# KiCad board Scan_Head_Set-Relay_board_03.01.2023.kicad_pcb (continued)
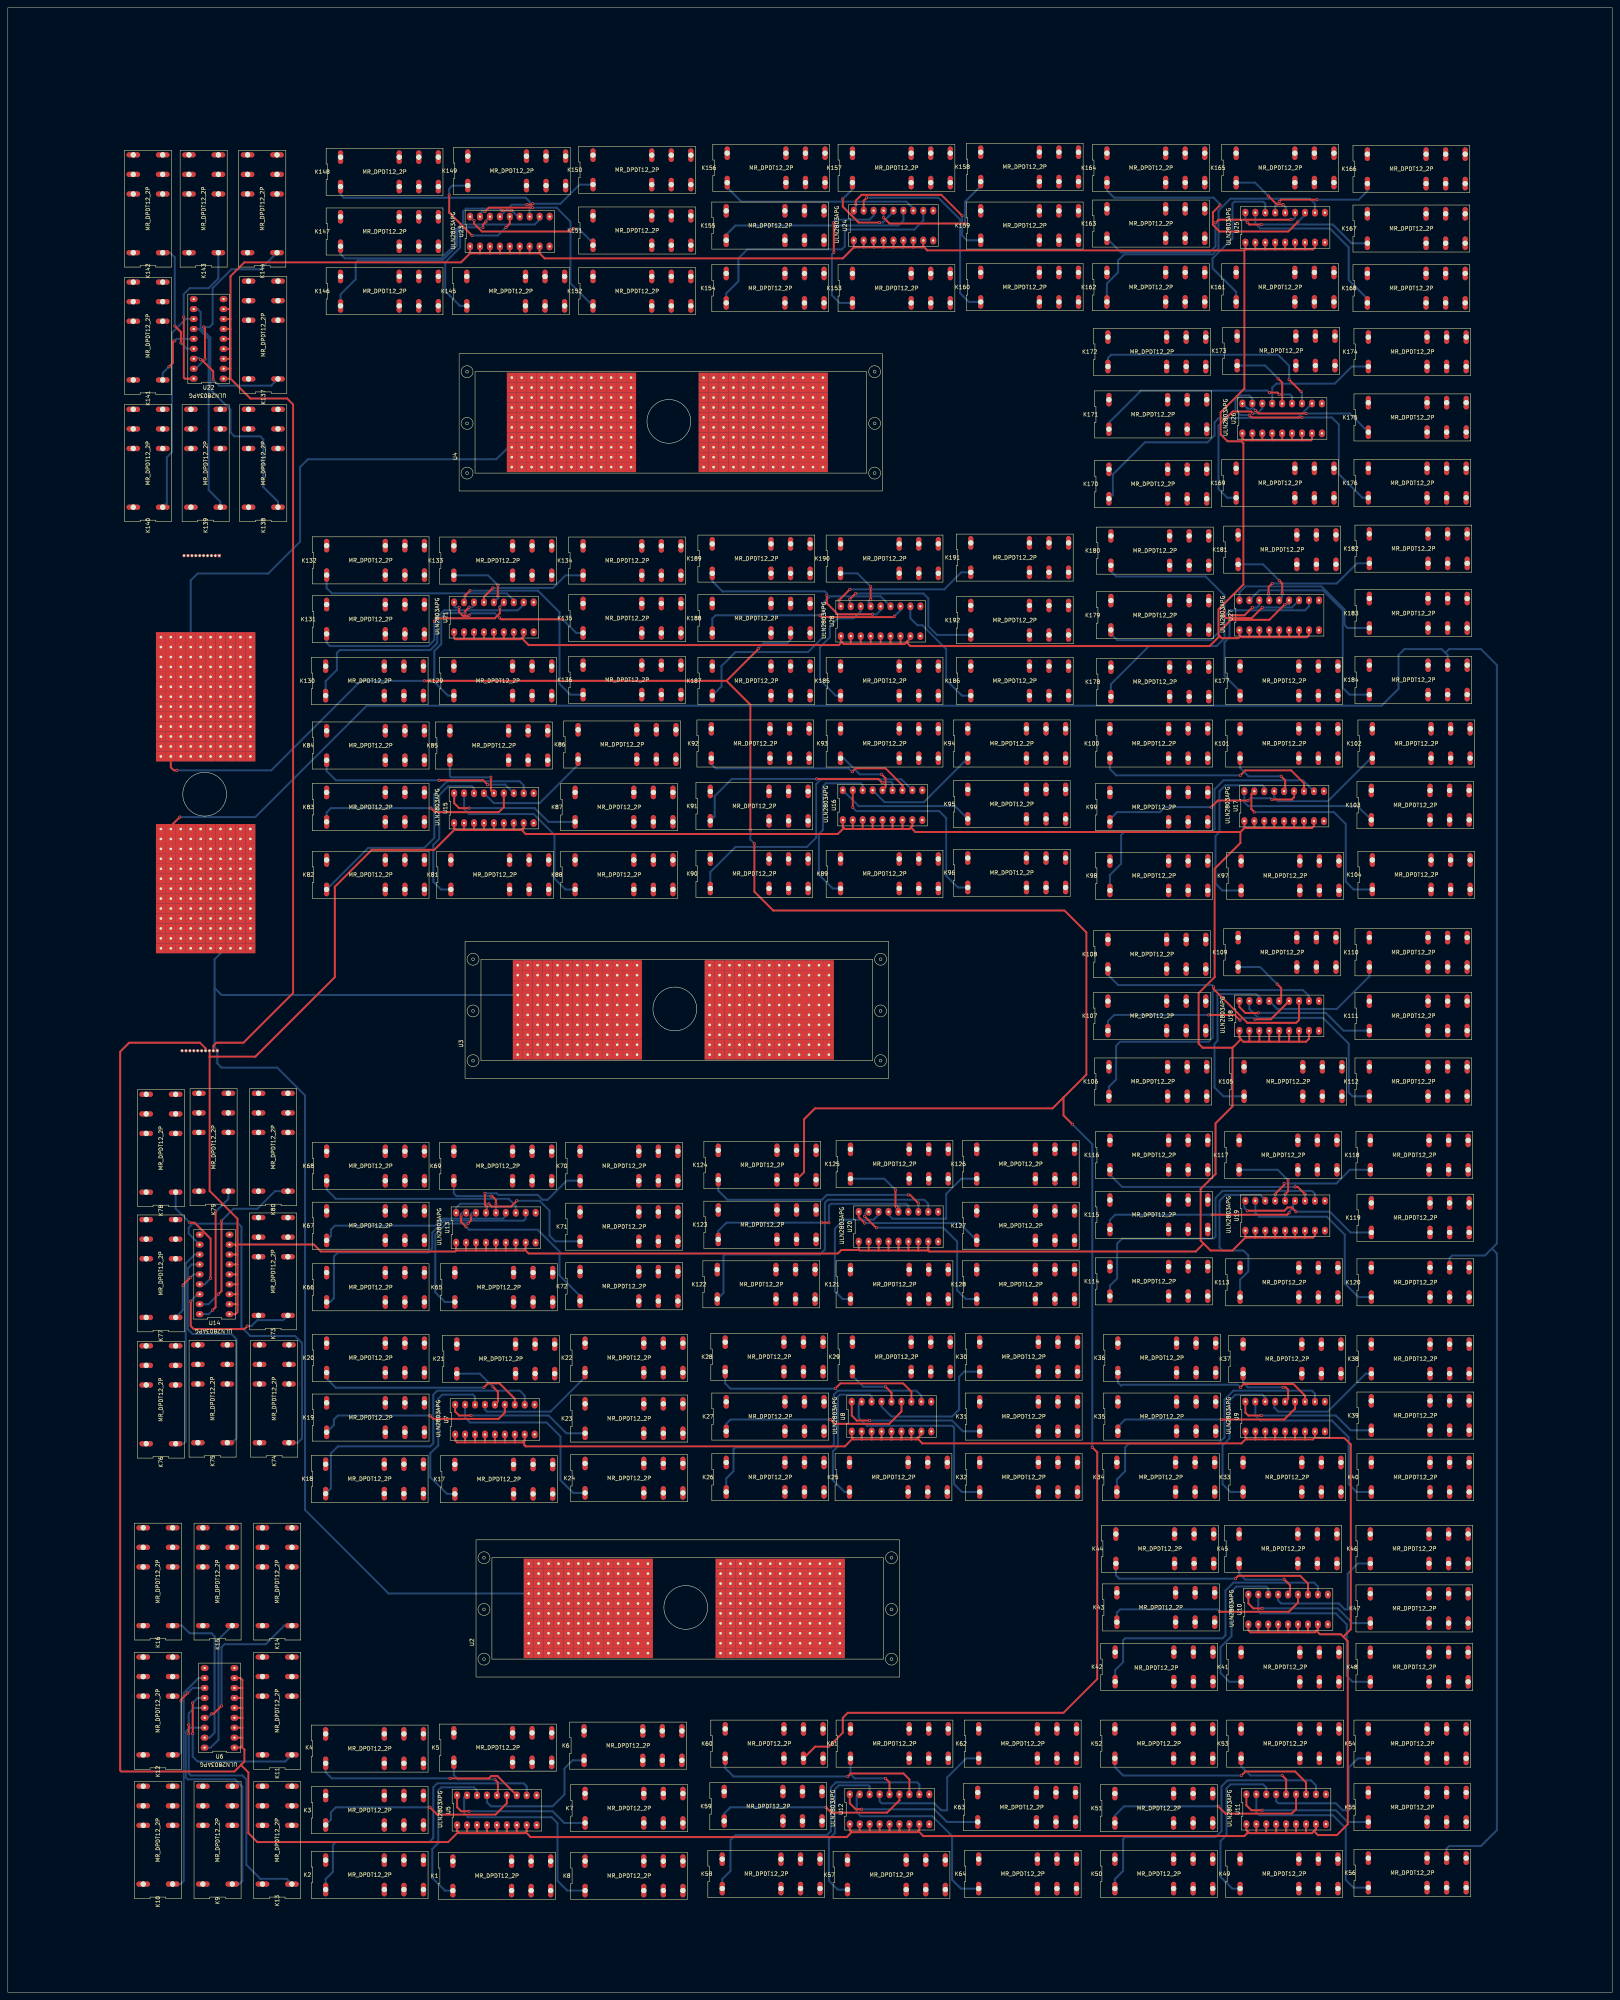
[diagram p0: board, top side]
## Routing (per net, layer and track width the routed paths; a pad name or vN(x,y) marks a point on that pad's centre or on a via; arc(x,y) is an arc through that point) (continued)
SH1SELECT: length 1054.1
  Top w0.508: 122.43,40.64 U5.4 ; 122.43,40.64 119.89,40.64 ; 122.43,40.64 124.97,40.64 ; 59.94,72.64 59.94,75.18 ; 59.94,72.64 59.94,70.1 ; 59.94,72.64 U6.5 ; 59.94,75.18 U6.6 ; 59.94,75.18 59.94,77.72 ; U10.4 324.61,91.95 ; 324.61,91.95 322.07,91.95 ; 324.61,91.95 327.15,91.95 ; 328.93,141.22 331.47,141.22 ; 328.93,141.22 U9.6 ; 328.93,141.22 326.39,141.22 ; 331.47,141.22 U9.7 ; 331.47,141.22 333.5,141.22 333.88,141.61 ; U10.6 329.69,91.95 ; 329.69,91.95 332.23,91.95 ; 329.69,91.95 327.15,91.95 ; 332.23,91.95 U10.7 ; 332.23,91.95 334.01,91.95 334.39,92.33 ; U6.8 59.44,80.26 59.94,79.76 59.94,77.72 ; 59.94,77.72 U6.7 ; 131.95,140.84 132.08,140.97 U7.8 ; 131.95,140.84 131.95,139.83 132.33,139.45 213.87,139.45 215.9,141.48 ; 131.95,140.84 131.57,140.46 129.54,140.46 ; U10.5 327.15,91.95 ; 333.88,141.61 334.01,141.73 U9.8 ; 333.88,141.61 341.5,141.61 343.15,139.95 343.15,92.71 341.25,90.81 ; 220.22,40.89 222.76,40.89 ; 220.22,40.89 217.68,40.89 ; 220.22,40.89 U12.3 ; 222.76,40.89 225.3,40.89 ; 222.76,40.89 U12.4 ; 316.74,41.15 317.25,40.64 319.02,40.64 ; 316.74,41.15 316.48,41.4 U11.1 ; 316.74,41.15 316.74,40.64 315.98,39.88 233.93,39.88 232.66,41.15 ; 119.89,40.64 U5.3 ; 119.89,40.64 117.35,40.64 ; 116.84,140.46 119.38,140.46 ; 116.84,140.46 114.81,140.46 114.3,140.97 U7.1 ; 116.84,140.46 U7.2 ; 119.38,140.46 U7.3 ; 119.38,140.46 121.92,140.46 ; 334.39,92.33 334.77,92.71 U10.8 ; 334.39,92.33 335.28,91.44 340.61,91.44 341.25,90.81 ; U9.4 323.85,141.22 ; 323.85,141.22 321.31,141.22 ; 323.85,141.22 326.39,141.22 ; 326.64,40.64 329.18,40.64 ; 326.64,40.64 U11.5 ; 326.64,40.64 324.1,40.64 ; 329.18,40.64 331.72,40.64 ; 329.18,40.64 U11.6 ; 322.07,91.95 U10.3 ; 322.07,91.95 319.53,91.95 ; 127.51,40.64 130.05,40.64 ; 127.51,40.64 U5.6 ; 127.51,40.64 124.97,40.64 ; 130.05,40.64 132.08,40.64 132.33,40.89 ; 130.05,40.64 U5.7 ; 124.46,140.46 127,140.46 ; 124.46,140.46 121.92,140.46 ; 124.46,140.46 U7.5 ; 127,140.46 U7.6 ; 127,140.46 129.54,140.46 ; U5.1 114.81,41.15 115.06,40.89 ; 218.19,141.22 U8.2 ; 218.19,141.22 220.73,141.22 ; 218.19,141.22 216.15,141.22 215.9,141.48 ; 232.66,141.73 232.16,141.22 230.89,141.22 ; 232.66,141.73 232.66,141.22 233.68,140.21 315.21,140.21 316.48,141.48 ; 232.66,141.73 233.43,142.49 U8.8 ; U5.8 132.59,41.15 132.33,40.89 ; 215.9,141.48 215.65,141.73 U8.1 ; 117.35,40.64 115.32,40.64 115.06,40.89 ; 117.35,40.64 U5.2 ; 341.25,90.81 342.39,89.66 342.39,42.93 339.6,40.13 334.77,40.13 333.76,41.15 ; 232.66,41.15 232.92,41.4 U12.8 ; 232.66,41.15 232.41,40.89 230.38,40.89 ; 227.84,40.89 U12.6 ; 227.84,40.89 230.38,40.89 ; 227.84,40.89 225.3,40.89 ; 220.73,141.22 223.27,141.22 ; 220.73,141.22 U8.3 ; 319.02,40.64 U11.2 ; 319.02,40.64 321.56,40.64 ; 215.39,41.15 215.65,40.89 217.68,40.89 ; 215.39,41.15 215.14,41.4 U12.1 ; 215.39,41.15 215.39,40.64 214.38,39.62 133.6,39.62 132.33,40.89 ; 59.94,65.02 59.94,62.99 59.69,62.74 ; 59.94,65.02 U6.2 ; 59.94,65.02 59.94,67.56 ; 217.68,40.89 U12.2 ; 321.31,141.22 318.77,141.22 ; 321.31,141.22 U9.3 ; 223.27,141.22 225.81,141.22 ; 223.27,141.22 U8.4 ; 225.81,141.22 228.35,141.22 ; 225.81,141.22 U8.5 ; 230.38,40.89 U12.7 ; 59.94,67.56 59.94,70.1 ; 59.94,67.56 U6.3 ; 59.94,70.1 U6.4 ; 331.72,40.64 U11.7 ; 331.72,40.64 333.25,40.64 333.76,41.15 ; 124.97,40.64 U5.5 ; 316.48,141.48 316.23,141.73 U9.1 ; 316.48,141.48 316.74,141.22 318.77,141.22 ; U7.7 129.54,140.46 ; 230.89,141.22 U8.7 ; 230.89,141.22 228.35,141.22 ; J1.4 50.52,241.14 49.09,242.57 30.99,242.57 28.7,240.28 28.7,56.64 28.96,56.39 57.91,56.39 59.69,58.17 ; 319.53,91.95 317.5,91.95 316.99,92.46 U10.1 ; 319.53,91.95 U10.2 ; 318.77,141.22 U9.2 ; 121.92,140.46 U7.4 ; 333.76,41.15 334.26,41.66 U11.8 ; 115.06,40.89 112.52,38.35 63.75,38.35 61.47,40.64 61.47,56.13 59.69,57.91 59.69,58.17 ; 59.69,58.17 60.45,58.93 60.45,61.98 59.69,62.74 ; 228.35,141.22 U8.6 ; 321.56,40.64 U11.3 ; 321.56,40.64 324.1,40.64 ; 324.1,40.64 U11.4 ; 225.3,40.89 U12.5 ; 326.39,141.22 U9.5 ; 59.69,62.74 59.44,62.48 U6.1
SH2SELECT: length 946.8
  Top w0.508: 215.9,297.18 218.44,297.18 ; 215.9,297.18 U16.2 ; 215.9,297.18 213.87,297.18 213.61,297.43 ; 218.44,297.18 220.98,297.18 ; 218.44,297.18 U16.3 ; 328.93,192.79 331.47,192.79 ; 328.93,192.79 U19.6 ; 328.93,192.79 326.39,192.79 ; 331.47,192.79 333.5,192.79 334.01,193.29 U19.8 ; 331.47,192.79 U19.7 ; 213.61,297.43 213.36,297.69 U16.1 ; 213.61,297.43 212.09,295.91 132.33,295.91 131.57,296.67 131.57,297.18 ; 121.67,296.93 124.21,296.93 ; 121.67,296.93 U15.4 ; 121.67,296.93 119.13,296.93 ; 124.21,296.93 U15.5 ; 124.21,296.93 126.75,296.93 ; 217.55,189.61 217.68,189.48 219.96,189.48 ; 217.55,189.61 212.98,189.61 212.09,188.72 133.1,188.72 132.08,189.74 ; 217.55,189.61 217.42,189.74 U20.1 ; 114.68,189.61 114.3,189.23 80.01,189.23 78.23,191.01 58.67,191.01 ; 114.68,189.61 114.55,189.74 U13.1 ; 114.68,189.61 114.81,189.48 117.09,189.48 ; 132.08,189.74 132.33,189.99 U13.8 ; 132.08,189.74 131.83,189.48 129.79,189.48 ; 58.42,190.75 58.17,191.01 U14.8 ; 58.42,190.75 58.67,190.5 58.67,188.47 ; 58.42,190.75 58.67,191.01 ; U13.3 119.63,189.48 ; 119.63,189.48 122.17,189.48 ; 119.63,189.48 117.09,189.48 ; U20.8 235.2,189.74 235.08,189.61 ; 58.67,175.77 58.67,178.31 ; 58.67,175.77 U14.2 ; 58.67,175.77 58.67,173.74 58.17,173.23 U14.1 ; 58.67,178.31 58.67,180.85 ; 58.67,178.31 U14.3 ; U18.5 324.87,242.82 ; 324.87,242.82 327.41,242.82 ; 324.87,242.82 322.58,242.82 ; 312.93,241.3 305.31,241.3 304.29,242.32 304.29,255.27 308.39,259.36 308.39,287.05 314.96,293.62 314.96,296.42 ; 312.93,241.3 312.93,226.31 308.61,222 308.61,209.04 304.8,205.23 304.8,192.02 305.56,191.26 ; 312.93,241.3 315.09,243.46 ; U15.8 131.83,297.43 131.57,297.18 ; 58.67,180.85 58.67,185.93 ; 58.67,180.85 U14.4 ; 58.67,185.93 58.67,188.47 ; 58.67,185.93 U14.6 ; 114.3,297.18 114.05,297.43 U15.1 ; 114.3,297.18 108.97,291.85 92.96,291.85 83.57,282.45 83.57,259.33 63.25,239.01 51.56,239.01 ; 114.3,297.18 114.55,296.93 116.59,296.93 ; 226.06,297.18 228.6,297.18 ; 226.06,297.18 U16.6 ; 226.06,297.18 223.52,297.18 ; 228.6,297.18 U16.7 ; 228.6,297.18 230.38,297.18 230.76,297.56 ; 230.76,297.56 231.9,296.42 314.96,296.42 ; 230.76,297.56 231.14,297.94 U16.8 ; U15.3 119.13,296.93 ; 119.13,296.93 116.59,296.93 ; 129.29,296.93 131.32,296.93 131.57,297.18 ; 129.29,296.93 U15.7 ; 129.29,296.93 126.75,296.93 ; U17.3 321.06,297.43 ; 321.06,297.43 323.6,297.43 ; 321.06,297.43 318.52,297.43 ; 328.68,297.43 331.22,297.43 ; 328.68,297.43 U17.6 ; 328.68,297.43 326.14,297.43 ; 331.22,297.43 333.25,297.43 333.76,297.94 U17.8 ; 331.22,297.43 U17.7 ; 322.58,242.82 322.33,243.08 U18.4 ; 322.58,242.82 319.79,242.82 ; U20.7 232.66,189.48 ; 232.66,189.48 230.12,189.48 ; 232.66,189.48 234.95,189.48 235.08,189.61 ; 314.96,296.42 316.1,297.56 ; U18.7 329.95,242.82 ; 329.95,242.82 327.41,242.82 ; 329.95,242.82 331.72,242.82 332.49,243.59 U18.8 ; 58.67,188.47 U14.7 ; 235.08,189.61 235.46,189.23 303.53,189.23 305.56,191.26 ; 305.56,191.26 307.34,189.48 312.93,189.48 316.36,192.91 ; 126.75,296.93 U15.6 ; 316.1,297.56 316.23,297.43 318.52,297.43 ; 316.1,297.56 315.98,297.69 U17.1 ; U20.6 230.12,189.48 ; 230.12,189.48 227.58,189.48 ; 219.96,189.48 222.5,189.48 ; 219.96,189.48 U20.2 ; 122.17,189.48 U13.4 ; 122.17,189.48 124.71,189.48 ; 117.09,189.48 U13.2 ; 58.67,191.01 58.67,197.61 51.56,204.72 51.56,239.01 ; 129.79,189.48 U13.7 ; 129.79,189.48 127.25,189.48 ; U13.6 127.25,189.48 ; 127.25,189.48 124.71,189.48 ; 327.41,242.82 U18.6 ; U15.2 116.59,296.93 ; U17.4 323.6,297.43 ; 323.6,297.43 326.14,297.43 ; U18.2 317.25,242.82 ; 317.25,242.82 315.72,242.82 315.09,243.46 ; 317.25,242.82 319.79,242.82 ; U19.3 321.31,192.79 ; 321.31,192.79 323.85,192.79 ; 321.31,192.79 318.77,192.79 ; U17.2 318.52,297.43 ; 316.36,192.91 316.23,193.04 U19.1 ; 316.36,192.91 316.48,192.79 318.77,192.79 ; U16.4 220.98,297.18 ; 220.98,297.18 223.52,297.18 ; U13.5 124.71,189.48 ; 51.56,239.01 51.56,240.54 J1.3 ; 319.79,242.82 U18.3 ; 326.14,297.43 U17.5 ; U19.2 318.77,192.79 ; 323.85,192.79 U19.4 ; 323.85,192.79 326.39,192.79 ; 222.5,189.48 U20.3 ; 222.5,189.48 225.04,189.48 ; U19.5 326.39,192.79 ; 227.58,189.48 U20.5 ; 227.58,189.48 225.04,189.48 ; 315.09,243.46 314.71,243.84 U18.1 ; 225.04,189.48 U20.4 ; 223.52,297.18 U16.5 ; U14.5 58.67,183.39
SH3SELECT: length 967.3
  Top w0.508: U24.3 221.23,445.77 ; 221.23,445.77 218.69,445.77 ; 221.23,445.77 223.77,445.77 ; U24.1 216.15,446.02 216.28,445.9 ; U24.5 226.31,445.77 ; 226.31,445.77 223.77,445.77 ; 226.31,445.77 228.6,445.77 ; U23.7 133.35,444.25 ; 133.35,444.25 135.64,444.25 135.76,444.37 ; 133.35,444.25 130.81,444.25 ; 124.21,345.69 126.49,345.69 ; 124.21,345.69 U21.5 ; 124.21,345.69 121.67,345.69 ; 126.49,345.69 126.75,345.95 U21.6 ; 126.49,345.69 129.29,345.69 ; U21.8 131.83,346.46 131.32,345.95 ; 213.11,344.93 212.85,345.19 U28.1 ; 213.11,344.93 212.34,344.17 133.1,344.17 131.32,345.95 ; 213.11,344.93 213.61,344.42 215.39,344.42 ; 131.32,345.95 131.06,345.69 129.29,345.69 ; 318.01,396.49 320.55,396.49 ; 318.01,396.49 U26.2 ; 318.01,396.49 315.98,396.49 315.72,396.75 ; 320.55,396.49 U26.3 ; 320.55,396.49 323.09,396.49 ; 315.21,396.24 311.66,396.24 309.92,397.98 309.92,403.64 315.98,409.7 315.98,445.01 ; 315.21,396.24 315.72,396.75 ; 315.21,396.24 315.72,395.73 315.72,359.66 309.37,353.31 309.37,346.71 309.63,346.46 ; U24.4 223.77,445.77 ; 56.9,414.78 56.9,412.5 56.77,412.37 ; 56.9,414.78 U22.2 ; 56.9,414.78 56.9,417.32 ; 218.69,445.77 216.41,445.77 216.28,445.9 ; 218.69,445.77 U24.2 ; 216.28,445.9 213.36,442.98 137.16,442.98 135.76,444.37 ; 56.9,424.94 56.9,427.48 ; 56.9,424.94 56.9,422.4 ; 56.9,424.94 U22.6 ; 56.9,427.48 U22.7 ; 56.9,427.48 56.9,429.77 56.64,430.02 U22.8 ; U23.1 118.11,444.5 118.24,444.37 ; U26.7 330.71,396.49 ; 330.71,396.49 328.17,396.49 ; 330.71,396.49 332.99,396.49 333.25,396.75 U26.8 ; 316.36,445.39 316.23,445.52 U25.1 ; 316.36,445.39 315.98,445.01 ; 316.36,445.39 316.48,445.26 318.77,445.26 ; 128.27,444.25 130.81,444.25 ; 128.27,444.25 125.73,444.25 ; 128.27,444.25 U23.5 ; 130.81,444.25 U23.6 ; 315.72,396.75 315.47,397 U26.1 ; U25.6 328.93,445.26 ; 328.93,445.26 326.39,445.26 ; 328.93,445.26 331.47,445.26 ; 328.17,396.49 325.63,396.49 ; 328.17,396.49 U26.6 ; 56.77,412.37 56.64,412.24 U22.1 ; 56.77,412.37 61.98,407.16 71.37,407.16 72.9,405.64 72.9,255.27 60.2,242.57 53.28,242.57 52.52,241.81 J1.2 ; 323.09,396.49 325.63,396.49 ; 323.09,396.49 U26.4 ; 325.63,396.49 U26.5 ; 215.39,344.42 217.93,344.42 ; 215.39,344.42 U28.2 ; 217.93,344.42 220.47,344.42 ; 217.93,344.42 U28.3 ; 326.39,445.26 323.85,445.26 ; 326.39,445.26 U25.5 ; 327.41,346.2 329.95,346.2 ; 327.41,346.2 324.87,346.2 ; 327.41,346.2 U27.6 ; 329.95,346.2 331.98,346.2 332.49,346.71 U27.8 ; 329.95,346.2 U27.7 ; 220.47,344.42 U28.4 ; 220.47,344.42 223.01,344.42 ; 315.98,445.01 234.95,445.01 233.93,446.02 ; 135.76,444.37 135.89,444.5 U23.8 ; U27.3 319.79,346.2 ; 319.79,346.2 317.25,346.2 ; 319.79,346.2 322.33,346.2 ; 125.73,444.25 123.19,444.25 ; 125.73,444.25 U23.4 ; 321.31,445.26 323.85,445.26 ; 321.31,445.26 U25.3 ; 321.31,445.26 318.77,445.26 ; 323.85,445.26 U25.4 ; 317.25,346.2 U27.2 ; 317.25,346.2 315.21,346.2 314.96,346.46 ; 228.6,445.77 228.85,446.02 U24.6 ; 228.6,445.77 231.39,445.77 ; 118.24,444.37 118.36,444.25 120.65,444.25 ; 118.24,444.37 115.82,441.96 60.45,441.96 56.9,438.4 56.9,429.89 ; 56.9,417.32 56.9,419.86 ; 56.9,417.32 U22.3 ; U28.8 230.63,345.95 229.87,345.19 ; U28.7 228.09,344.42 ; 228.09,344.42 229.11,344.42 229.87,345.19 ; 228.09,344.42 225.55,344.42 ; 56.9,419.86 56.9,422.4 ; 56.9,419.86 U22.4 ; U28.6 225.55,344.42 ; 225.55,344.42 223.01,344.42 ; U24.7 231.39,445.77 ; 231.39,445.77 233.68,445.77 233.93,446.02 ; 223.01,344.42 U28.5 ; 309.63,346.46 310.13,345.95 314.45,345.95 314.96,346.46 ; 309.63,346.46 307.09,343.92 230.63,343.92 229.87,344.68 229.87,345.19 ; 314.96,346.46 314.71,346.71 U27.1 ; U23.3 123.19,444.25 ; 123.19,444.25 120.65,444.25 ; 324.87,346.2 U27.5 ; 324.87,346.2 322.33,346.2 ; 120.65,444.25 U23.2 ; U25.8 334.01,445.77 333.5,445.26 331.47,445.26 ; 121.67,345.69 U21.4 ; 121.67,345.69 119.13,345.69 ; U22.5 56.9,422.4 ; 116.59,345.69 114.3,345.69 114.05,345.95 U21.1 ; 116.59,345.69 119.13,345.69 ; 116.59,345.69 U21.2 ; U21.7 129.29,345.69 ; 119.13,345.69 U21.3 ; 318.77,445.26 U25.2 ; 233.93,446.02 U24.8 ; 322.33,346.2 U27.4 ; U25.7 331.47,445.26
Net-(K1-PadA1): length 41.4
  Bottom w0.508: U5.16 119.89,51.56 119.13,52.32 110.74,52.32 109.98,51.56 109.98,38.1 108.46,36.58 108.46,29.21 111.71,25.96 K1.A1
Net-(K2-PadA1): length 78.4
  Bottom w0.508: K2.A1 81.21,28.88 83.06,30.73 83.06,37.59 83.82,38.35 107.7,38.35 108.71,39.37 108.71,52.32 109.73,53.34 131.83,53.34 132.59,52.58 U5.11
Net-(K3-PadA1): length 53.3
  Top w0.508: U5.13 127.51,48.26 124.62,45.37 109.73,45.37 v1(107.86,47.24)
  Bottom w0.508: K3.A1 82.55,44.07 82.55,45.97 83.82,47.24 v1(107.86,47.24)
Net-(K4-PadA1): length 54.1
  Top w0.508: v1(113.03,54.61) 122.94,54.61 123.54,55.21 125.13,55.21 U5.12
  Bottom w0.508: v1(113.03,54.61) 82.8,54.61 81.21,56.21 K4.A1
Net-(K5-PadA1): length 18.7
  Top w0.508: U5.14 125.22,50.55 125.22,53.59 v1(124.46,54.36)
  Bottom w0.508: K5.A1 113.97,55.45 115.06,54.36 v1(124.46,54.36)
Net-(K6-PadA1): length 35.7
  Bottom w0.508: U5.15 122.43,48.51 123.44,47.5 139.19,47.5 142.24,50.55 142.24,57.15 144.32,59.23 K6.A1
Net-(K7-PadA1): length 37.4
  Top w0.508: U5.18 114.81,47.24 115.82,46.23 v1(117.86,46.23)
  Bottom w0.508: v1(117.86,46.23) 139.19,46.23 142.19,43.23 K7.A1
Net-(K8-PadA1): length 52.8
  Bottom w0.508: K8.A1 142.95,25.96 140.46,28.45 140.46,43.18 138.94,44.7 117.6,44.7 116.59,45.72 116.59,49.78 117.09,50.29 U5.17
Net-(K9-PadA1): length 59.4
  Bottom w0.508: U6.16 46.48,67.56 45.47,66.55 45.47,54.86 45.97,54.36 58.06,54.36 59.94,52.48 59.94,28.45 59.11,27.61 K9.A1
Net-(K10-PadA1): length 58.1
  Bottom w0.508: U6.11 48.77,80.26 44.96,76.45 44.96,28.45 44.12,27.61 K10.A1
Net-(K11-PadA1): length 43.9
  Top w0.508: v1(47.24,66.04) v1(47.24,73.91)
  Bottom w0.508: v1(47.24,73.91) 48.51,75.18 U6.13 ; K11.A1 70.89,58.93 48.51,58.93 47.24,60.2 v1(47.24,66.04)
Net-(K12-PadA1): length 23.1
  Top w0.508: v1(45.97,76.45) 44.26,74.74 v1(44.26,74.42)
  Bottom w0.508: v1(44.26,74.42) 44.26,61.28 43.61,60.63 K12.A1 ; U6.12 47.24,77.72 v1(45.97,76.45)
Net-(K13-PadA1): length 70.9
  Top w0.508: v1(46.23,68.33) v1(46.23,66.04)
  Bottom w0.508: v1(46.23,66.04) 46.23,55.88 46.74,55.37 59.94,55.37 60.96,54.36 60.96,32.51 64.52,28.96 71.25,28.96 K13.A1 ; v1(46.23,68.33) 46.23,71.25 47.62,72.64 U6.14
Net-(K14-PadA1): length 40.8
  Top w0.508: v1(54.61,73.15) 52.58,71.12 v1(52.07,71.12)
  Bottom w0.508: U6.15 51.05,70.1 v1(52.07,71.12) ; v1(54.61,73.15) 54.61,88.14 55.37,88.9 65.89,88.9 70.64,93.65 K14.A1
Net-(K15-PadA1): length 35
  Bottom w0.508: U6.18 51.82,62.48 53.85,64.52 53.85,90.15 K15.A1
Net-(K16-PadA1): length 39.5
  Bottom w0.508: U6.17 51.56,65.02 52.83,66.29 52.83,90.93 52.07,91.69 46.48,91.69 44.52,93.65 K16.A1
Net-(K17-PadA1): length 41
  Bottom w0.508: U7.16 119.38,152.15 118.87,152.65 111,152.65 109.98,151.64 109.98,139.7 107.95,137.67 107.95,131.57 112.22,127.3 K17.A1
Net-(K18-PadA1): length 77.1
  Bottom w0.508: K18.A1 82.55,128.72 82.55,137.67 84.33,139.45 107.95,139.45 108.71,140.21 108.71,152.65 109.73,153.67 130.81,153.67 132.08,152.4 U7.11
Net-(K19-PadA1): length 51.2
  Top w0.508: v1(107.86,147.32) 108.71,146.47 125.38,146.47 127,148.08 U7.13
  Bottom w0.508: v1(107.86,147.32) 84.33,147.32 83.31,146.3 83.31,144.9 K19.A1
Net-(K20-PadA1): length 54.2
  Top w0.508: v1(121.67,154.52) 122.68,155.54 125.64,155.54 129.54,151.64 U7.12
  Bottom w0.508: v1(121.67,154.52) 121.57,154.43 83.82,154.43 81.46,156.79 K20.A1
Net-(K21-PadA1): length 16
  Top w0.508: U7.14 125.22,150.88 125.22,153.42 v1(123.95,154.69)
  Bottom w0.508: K21.A1 120.6,158.04 v1(123.95,154.69)
Net-(K22-PadA1): length 31.9
  Bottom w0.508: K22.A1 147.5,157.15 138.68,148.34 122.43,148.34 121.92,148.84 U7.15
Net-(K23-PadA1): length 37.3
  Top w0.508: U7.18 114.3,148.34 115.32,147.32 v1(118.36,147.32)
  Bottom w0.508: K23.A1 142.7,142.8 138.18,147.32 v1(118.36,147.32)
Net-(K24-PadA1): length 48.5
  Bottom w0.508: U7.17 116.84,146.81 118.11,145.54 137.67,145.54 141.22,141.99 141.22,130.81 144.48,127.56 K24.A1
Net-(K25-PadA1): length 37.7
  Bottom w0.508: K25.A1 213.82,127.81 210.82,130.81 210.82,138.18 212.09,139.45 212.09,152.15 212.6,152.65 220.22,152.65 220.73,152.15 U8.16
Net-(K26-PadA1): length 75.3
  Bottom w0.508: U8.11 233.43,152.4 232.16,153.67 212.09,153.67 211.07,152.65 211.07,139.95 210.31,139.19 185.93,139.19 185.42,138.68 185.42,133.1 183.57,131.24 K26.A1
Net-(K27-PadA1): length 51.4
  Top w0.508: v1(210.22,146.3) 211.33,145.2 225.21,145.2 228.35,148.34 U8.13
  Bottom w0.508: K27.A1 183.57,145.21 184.66,146.3 v1(210.22,146.3)
Net-(K28-PadA1): length 55.1
  Top w0.508: v1(211.5,154.28) 212.75,155.54 228.76,155.54 230.89,153.42 U8.12
  Bottom w0.508: K28.A1 183.31,155.52 184.66,154.18 211.39,154.18 v1(211.5,154.28)
Net-(K29-PadA1): length 15.1
  Top w0.508: U8.14 225.81,153.16 v1(224.28,154.69)
  Bottom w0.508: K29.A1 215.83,157.47 218.61,154.69 v1(224.28,154.69)
Net-(K30-PadA1): length 37.1
  Bottom w0.508: U8.15 223.27,149.61 225.81,147.07 241.3,147.07 243.08,148.84 243.08,157.23 244.4,158.55 K30.A1
Net-(K31-PadA1): length 37.9
  Top w0.508: v1(220.22,146.05) 216.92,146.05 215.65,147.32 U8.18
  Bottom w0.508: K31.A1 244.04,143.31 241.3,146.05 v1(220.22,146.05)
Net-(K32-PadA1): length 51.8
  Bottom w0.508: K32.A1 243.79,127.81 241.81,129.79 241.81,144.27 241.37,144.71 219.53,144.71 217.42,146.81 217.42,150.37 217.93,150.88 U8.17
Net-(K33-PadA1): length 39.3
  Bottom w0.508: U9.16 321.31,151.89 320.55,152.65 313.69,152.65 312.17,151.13 312.17,141.48 310.39,139.7 310.39,129.79 312.37,127.81 K33.A1
Net-(K34-PadA1): length 74.8
  Bottom w0.508: U9.11 334.01,152.91 333.25,153.67 313.18,153.67 310.9,151.38 310.9,141.73 309.37,140.21 286.51,140.21 285.5,139.19 285.5,133.1 283.39,130.99 K34.A1
Net-(K35-PadA1): length 50.1
  Top w0.508: v1(310.04,146.3) 326.14,146.3 328.93,149.1 U9.13
  Bottom w0.508: K35.A1 283.64,144.45 285.5,146.3 v1(310.04,146.3)
Net-(K36-PadA1): length 54.2
  Top w0.508: v1(314.96,154.52) 315.81,155.38 328.49,155.38 331.47,152.4 U9.12
  Bottom w0.508: v1(314.96,154.52) 314.29,155.19 284.73,155.19 284.48,154.94 283.64,155.78 K36.A1
Net-(K37-PadA1): length 17.9
  Top w0.508: U9.14 327.15,151.64 327.15,153.92 326.55,154.52 v1(325.88,154.52)
  Bottom w0.508: v1(325.88,154.52) 316.9,154.52 315.65,155.78 K37.A1
Net-(K38-PadA1): length 30.9
  Bottom w0.508: K38.A1 347.01,158.04 337.31,148.34 324.61,148.34 323.6,149.35 323.6,150.62 U9.15
Net-(K39-PadA1): length 36.9
  Top w0.508: U9.18 316.23,148.08 316.99,147.32 v1(320.29,147.32)
  Bottom w0.508: v1(320.29,147.32) 339.34,147.32 343.1,143.56 K39.A1
Net-(K40-PadA1): length 48.3
  Bottom w0.508: U9.17 318.77,147.32 320.04,146.05 338.33,146.05 342.65,141.73 342.65,129.79 344.63,127.81 K40.A1
Net-(K41-PadA1): length 39.8
  Bottom w0.508: K41.A1 312.12,79.3 309.88,81.53 309.88,88.14 312.67,90.93 312.67,102.36 313.94,103.63 321.56,103.63 322.07,103.12 U10.16
Net-(K42-PadA1): length 76.4
  Bottom w0.508: K42.A1 282.96,82.3 284.99,84.33 284.99,89.92 285.5,90.42 310.39,90.42 311.15,91.19 311.15,102.62 313.18,104.65 333.76,104.65 334.77,103.63 U10.11
Net-(K43-PadA1): length 52.3
  Top w0.508: v1(309.63,97.28) 309.72,97.19 327.31,97.19 329.69,99.57 U10.13
  Bottom w0.508: K43.A1 283.39,96.95 284.23,97.79 309.12,97.79 v1(309.63,97.28)
Net-(K44-PadA1): length 56.4
  Top w0.508: v1(313.69,105.66) 314.38,106.36 330.27,106.36 332.23,104.39 U10.12
  Bottom w0.508: K44.A1 283.14,106.5 283.97,105.66 v1(313.69,105.66)
Net-(K45-PadA1): length 19.5
  Top w0.508: U10.14 327.66,102.11 327.66,103.98 v1(326.14,105.5)
  Bottom w0.508: K45.A1 314.63,107.01 316.23,105.41 326.04,105.41 v1(326.14,105.5)
Net-(K46-PadA1): length 36.2
  Bottom w0.508: U10.15 324.61,100.08 325.37,99.31 340.11,99.31 341.63,97.79 342.39,97.79 342.39,106.93 344.98,109.52 K46.A1
Net-(K47-PadA1): length 35.5
  Top w0.508: U10.18 316.99,99.31 318.26,98.04 v1(320.55,98.04)
  Bottom w0.508: v1(320.55,98.04) 339.85,98.04 343.61,94.28 K47.A1
Net-(K48-PadA1): length 48.1
  Bottom w0.508: U10.17 319.53,97.28 320.04,96.77 339.34,96.77 342.14,93.98 342.14,80.77 343.61,79.3 K48.A1
Net-(K49-PadA1): length 42.2
  Bottom w0.508: U11.16 321.56,52.32 320.8,53.09 312.42,53.09 311.4,52.07 311.4,40.13 309.88,38.61 309.88,29.46 312.88,26.47 K49.A1
Net-(K50-PadA1): length 78.5
  Bottom w0.508: K50.A1 282.88,28.88 284.99,30.99 284.99,39.12 285.5,39.62 308.61,39.62 310.13,41.15 310.13,52.58 311.66,54.1 332.99,54.1 334.26,52.83 U11.11
Net-(K51-PadA1): length 54.2
  Top w0.508: U11.13 329.18,46.74 328.08,45.63 311.15,45.63 v1(309.28,47.5)
  Bottom w0.508: v1(309.28,47.5) 285.24,47.5 282.88,45.14 K51.A1
Net-(K52-PadA1): length 56.6
  Top w0.508: U11.12 331.72,53.59 328.93,56.39 316.23,56.39 v1(315.21,55.37)
  Bottom w0.508: K52.A1 282.88,57.48 284.99,55.37 v1(315.21,55.37)
Net-(K53-PadA1): length 18.7
  Top w0.508: U11.14 326.64,54.36 v1(325.63,55.37)
  Bottom w0.508: v1(325.63,55.37) 317.5,55.37 315.14,57.73 K53.A1
Net-(K54-PadA1): length 38.2
  Bottom w0.508: K54.A1 344.98,59.74 342.65,57.4 342.65,46.48 341.12,46.48 339.34,48.26 324.61,48.26 324.1,48.77 U11.15
Net-(K55-PadA1): length 35.7
  Top w0.508: v1(320.55,46.48) 317.75,46.48 316.48,47.75 U11.18
  Bottom w0.508: K55.A1 342.34,43.48 339.34,46.48 v1(320.55,46.48)
Net-(K56-PadA1): length 48.9
  Bottom w0.508: U11.17 319.02,45.97 319.79,45.21 338.58,45.21 341.88,41.91 341.88,28.7 343.87,26.72 K56.A1
Net-(K57-PadA1): length 41.1
  Bottom w0.508: U12.16 220.22,52.58 219.96,52.83 212.34,52.83 211.33,51.82 211.33,40.64 209.8,39.12 209.8,28.45 212.04,26.21 K57.A1
Net-(K58-PadA1): length 76.9
  Bottom w0.508: U12.11 232.92,53.09 232.41,53.59 211.58,53.59 210.31,52.32 210.31,41.15 209.3,40.13 185.93,40.13 184.66,38.86 184.66,30.99 182.55,28.88 K58.A1
Net-(K59-PadA1): length 50.7
  Top w0.508: U12.13 227.84,49.02 224.7,45.88 210.4,45.88 v1(209.04,47.24)
  Bottom w0.508: v1(209.04,47.24) 184.66,47.24 183.06,45.65 K59.A1
Net-(K60-PadA1): length 55.2
  Top w0.508: U12.12 230.38,54.36 228.85,55.88 215.39,55.88 v1(214.63,55.12)
  Bottom w0.508: K60.A1 183.31,57.22 185.42,55.12 v1(214.63,55.12)
Net-(K61-PadA1): length 17.9
  Top w0.508: U12.14 225.3,53.59 v1(224.28,54.61)
  Bottom w0.508: v1(224.28,54.61) 216.41,54.61 215.32,55.7 K61.A1
Net-(K62-PadA1): length 38.5
  Bottom w0.508: U12.15 222.76,48.77 223.27,48.26 236.73,48.26 238.51,46.48 240.03,46.48 240.03,54.86 244.91,59.74 K62.A1
Net-(K63-PadA1): length 37
  Top w0.508: U12.18 215.14,48.26 216.66,46.74 v1(218.19,46.74)
  Bottom w0.508: v1(218.19,46.74) 236.73,46.74 239.98,43.48 K63.A1
Net-(K64-PadA1): length 51
  Bottom w0.508: K64.A1 243.54,26.47 241.3,28.7 241.3,39.88 236.22,44.96 217.93,44.96 216.92,45.97 216.92,50.29 217.17,50.55 U12.17
Net-(K65-PadA1): length 34.5
  Top w0.508: v1(118.36,198.31) 118.36,197.17 v1(117.6,196.4)
  Bottom w0.508: U13.16 118.62,199.14 118.36,198.88 v1(118.36,198.31) ; v1(117.6,196.4) 112.08,196.4 109.22,193.55 109.22,178.82 111.71,176.33 K65.A1
Net-(K66-PadA1): length 69.8
  Bottom w0.508: U13.11 132.33,197.61 131.83,197.1 111.51,197.1 108.46,194.06 108.46,189.99 107.44,188.98 84.33,188.98 83.31,187.96 83.31,177.29 82.35,176.33 K66.A1
Net-(K67-PadA1): length 50.1
  Bottom w0.508: U13.13 127.25,198.37 126.49,197.61 111,197.61 109.22,195.83 83.57,195.83 82.55,194.82 82.55,193.16 K67.A1
Net-(K68-PadA1): length 54.1
  Bottom w0.508: K68.A1 81.46,205.05 83.82,202.69 128.02,202.69 129.79,200.91 U13.12
Net-(K69-PadA1): length 18
  Top w0.508: v1(124.71,201.42) 124.71,202.44 123.76,203.39 v1(123.44,203.39)
  Bottom w0.508: v1(124.71,201.42) U13.14 ; K69.A1 113.97,204.04 114.62,203.39 v1(123.44,203.39)
Net-(K70-PadA1): length 32.4
  Top w0.508: v1(122.38,200.59) 122.38,200.71 121.92,201.17 v1(121.92,204.09)
  Bottom w0.508: 125.73,203.71 125.54,203.71 ; 125.73,203.71 125.28,203.71 124.9,204.09 v1(121.92,204.09) ; 125.73,203.71 135.38,203.71 136.65,202.44 137.92,202.44 142.8,207.31 K70.A1 ; v1(122.38,200.59) 122.38,199.34 U13.15
Net-(K71-PadA1): length 42.3
  Top w0.508: v1(130.05,202.18) 128.59,200.72 123.64,200.72 v1(122.94,201.42)
  Bottom w0.508: v1(122.94,201.42) 115.57,201.42 114.55,200.41 U13.18 ; v1(130.05,202.18) 135.89,202.18 138.43,199.64 138.43,193.29 139.9,191.82 K71.A1